# Altium PCB QCPower Rev A.PcbDoc (part 3 of 5)
Units mm, origin at the board's own origin, x right, y up, seen from the top; angles counter-clockwise.
Board outline 70 x 65 mm, 6 copper layers (Layer 1, Layer 2, Layer 3, Layer 4, Layer 5, Layer 6), stack 1.599 mm thick; 479 components, 300 nets, 1345 pads, 1188 vias.
Unrouted connection lines stored in the file: 4.
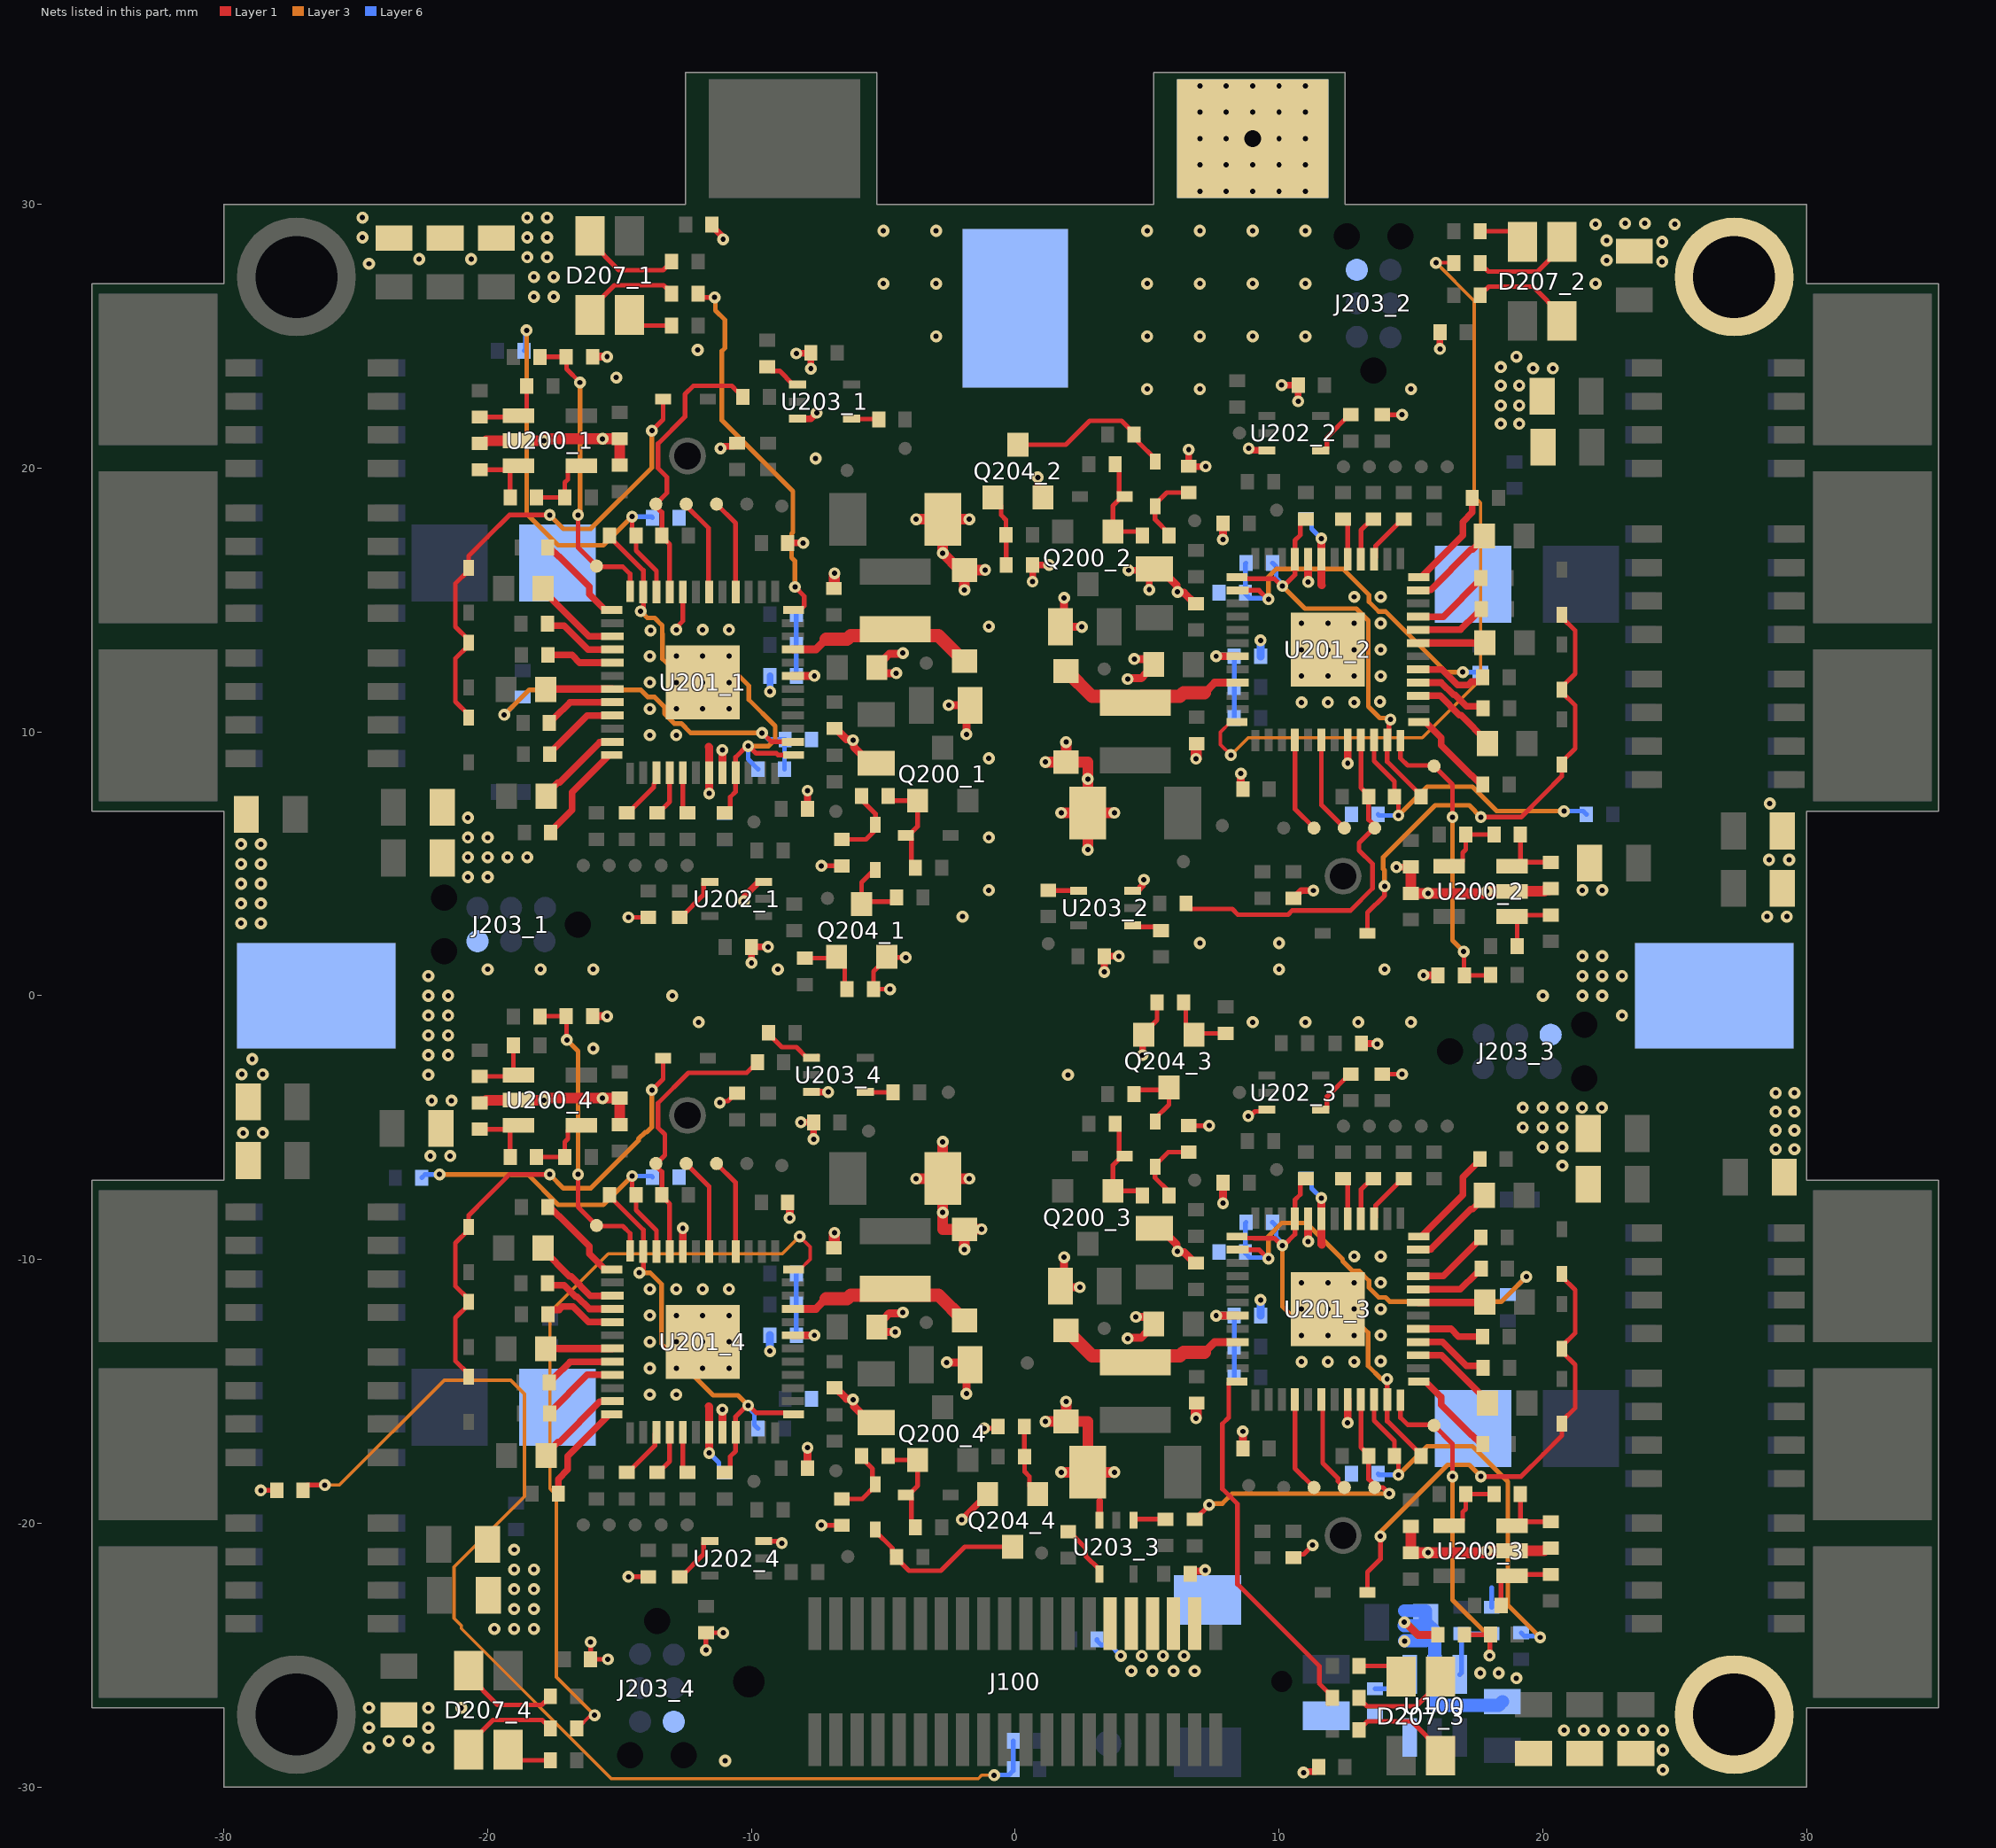
[diagram p7: the nets of this part, all layers, seen from the top]

## Via types
v1: diameter 0.457, hole 0.2, Layer 1 to Layer 6, tented both sides, 455 vias
v2: diameter 0.45, hole 0.2, Layer 1 to Layer 6, tented both sides, 379 vias
v3: diameter 0.457, hole 0.2, Layer 1 to Layer 6, 336 vias
v4: diameter 0.889, hole 0.635, Layer 1 to Layer 6, 14 vias
v5: diameter 0.635, hole 0.381, Layer 1 to Layer 6, tented both sides, 4 vias

## Nets (pads, with @x,y where several pads share a name; then routed paths per layer and width w, separated by ;. In a path a pad name is that pad's centre, name@x,y a point inside that pad or via, vN(x,y) a via of type N, cw(c..) or ccw(c..) an arc to the next point about the centre after c; other vN are vias at no path point) (continued)
GND: C100.2 C102.2 C103.2 C104.2 C107.2 C108.2 C109.2 C200_1.1 C200_2.1 C200_3.1 C200_4.1 C201_1.2 C201_2.2 C201_3.2 C201_4.2 C202_1.2 C202_2.2 C202_3.2 C202_4.2 C203_1.2 C203_2.2 C203_3.2 C203_4.2 C204_1.2 C204_2.2 C204_3.2 C204_4.2 C205_1.2 C205_2.2 C205_3.2 C205_4.2 C206_1.2 C206_2.2 C206_3.2 C206_4.2 C207_1.2 C207_2.2 C207_3.2 C207_4.2 C208_1.2 C208_2.2 C208_3.2 C208_4.2 C209_1.2 C209_2.2 C209_3.2 C209_4.2 C210_1.1 C210_2.1 C210_3.1 C210_4.1 C211_1.2 C211_2.2 C211_3.2 C211_4.2 C212_1.1 C212_2.1 C212_3.1 C212_4.1 C213_1.2 C213_2.2 C213_3.2 C213_4.2 C215_1.2 C215_2.2 C215_3.2 C215_4.2 C217_1.2 C217_2.2 C217_3.2 C217_4.2 C218_1.1 C218_2.1 C218_3.1 C218_4.1 C219_1.1 C219_2.1 C219_3.1 C219_4.1 C221_1.2 C221_2.2 C221_3.2 C221_4.2 C222_1.2 C222_2.2 C222_3.2 C222_4.2 C223_1.2 C223_2.2 C223_3.2 C223_4.2 C224_1.2 C224_2.2 C224_3.2 C224_4.2 D206_1.A D206_2.A D206_3.A D206_4.A J100.4 J100.6 J100.8 J100.10 J100.12 J102.1 J203_1.5 J203_2.5 J203_3.5 J203_4.5 pad.S@27.25,27.25 pad.S@27.25,-27.25 Q204_1.2 Q204_2.2 Q204_3.2 Q204_4.2 R101.2 R102.2 R210_1.2 R210_2.2 R210_3.2 R210_4.2 R215_1.1 R215_2.1 R215_3.1 R215_4.1 R227_1.2 R227_2.2 R227_3.2 R227_4.2 R228_1.1 R228_2.1 R228_3.1 R228_4.1 R229_1.1 R229_2.1 R229_3.1 R229_4.1 R230_1.1 R230_2.1 R230_3.1 R230_4.1 R235_1.2 R235_2.2 R235_3.2 R235_4.2 R237_1.1 R237_2.1 R237_3.1 R237_4.1 U100.2 U200_1.2 U200_2.2 U200_3.2 U200_4.2 U201_1.20 U201_1.43 U201_1.44 U201_1.49 U201_2.20 U201_2.43 U201_2.44 U201_2.49 U201_3.20 U201_3.43 U201_3.44 U201_3.49 U201_4.20 U201_4.43 U201_4.44 U201_4.49 U202_1.3 U202_2.3 U202_3.3 U202_4.3 U203_1.3 U203_2.3 U203_3.3 U203_4.3 | length 163.1
  Layer 1 w0.178: v2(-28.6,-18.75) R102.2@-28,-18.75 ; v2(-16.1,-24.501) C200_4.1@-16.1,-25.157 v2(-15.444,-25.157) ; v2(-14.663,-22.027) R237_4.1@-13.913,-22.027 ; v2(-14.663,2.973) R237_1.1@-13.913,2.973 ; v1(-12.852,13.878) -12.852,13.954 -12.602,14.204 U201_1.20@-12.602,15.303 ; v2(-11.725,-24.806) C223_4.2@-11.725,-24.15 v2(-11.069,-24.15) ; v2(-11.2,-4.05) -11.148,-3.998 -10.898,-3.998 -10.6,-3.7 R235_4.2@-10.55,-3.7 ; U202_4.3@-9.538,-20.678 -8.922,-20.678 v2(-8.85,-20.75) ; v2(-7.35,-20.075) C208_4.2@-6.575,-20.075 ; v2(-7.35,4.925) C208_1.2@-6.575,4.925 ; v2(-4.75,0.25) R210_1.2@-5.375,0.25 -5.375,0.925 -4.875,1.425 Q204_1.2@-4.875,1.475 -4.85,1.45 v2(-4.15,1.45) ; v2(-1.175,-16.401) -0.725,-16.401 R210_4.2@-0.656,-16.332 ; Q204_3.2@4.875,-1.475 4.875,-1.425 5.375,-0.925 R210_3.2@5.375,-0.25 ; C208_3.2@6.575,-4.925 v2(7.35,-4.925) ; C208_2.2@6.575,20.075 C208_2.2@6.584,20.066 ; v2(8.833,-4.561) 8.907,-4.561 9.085,-4.383 9.477,-4.383 U202_3.3@9.538,-4.322 ; v2(8.85,20.75) v2@8.922,20.678 ; R235_3.2@10.55,-21.3 10.677,-21.173 10.927,-21.173 v2(11.275,-20.825) ; R237_3.1@13.913,-2.973 v2(14.663,-2.973) ; R237_2.1@13.913,22.027 v2(14.663,22.027)
  Layer 1 w0.254: C200_1.1@-11.5,29.235 -11.5,29.185 -11.113,28.797 -11.113,28.713 v2(-11.075,28.675) ; v2(-11.175,20.75) -11.122,20.75 -11.045,20.827 -10.673,20.827 R235_1.2@-10.55,20.95 ; v2(-10.287,3.581) -10.249,3.619 -10.249,3.793 -9.936,4.106 -9.927,4.106 -9.712,4.322 U202_1.3@-9.538,4.322 ; v2(-10,1.25) C223_1.2@-10,1.85 v2(-9.375,1.85) ; C222_1.2@-8.625,17.165 v2(-8.04,17.165) ; v2(-8.3,24.35) -8.288,24.362 -7.763,24.362 C224_1.2@-7.75,24.375 v2(-7.75,23.775) ; U203_1.3@-8.25,21.875 -7.75,21.875 v2(-7.525,22.1) ; v2(-8.128,-4.801) C224_4.2@-7.645,-4.801 v2(-7.645,-5.436) ; C218_1.1@-7.875,7.09 v2(-7.875,7.775) ; U203_4.3@-7.728,-3.647 v2(-7.093,-3.647) ; v2(-2.025,-19.862) Q204_4.2@-1.052,-18.888 ; v2(0.656,15.702) R210_2.2@0.656,16.332 v2(1.286,16.332) ; v2(0.85,19.65) 0.85,19.09 Q204_2.2@1.052,18.888 ; U203_3.3@3.2,-19.882 3.2,-19.15 ; v2(3.375,0.9) C224_2.2@3.375,1.5 v2(3.925,1.5) ; v2(4.293,16.129) C213_2.2@5.22,16.129 ; U203_2.3@4.447,3.975 4.621,3.975 4.835,4.189 4.835,4.362 v2(4.872,4.4) ; v2(4.825,-2.25) 4.825,-1.525 Q204_3.2@4.875,-1.475 ; v2(5.08,15.392) 5.08,15.989 C213_2.2@5.22,16.129 ; C213_2.2@5.275,16.185 C213_2.2@5.22,16.129 ; C208_2.2@6.575,20.075 v2(6.575,20.705) ; C208_2.2@6.584,20.066 v2(7.214,20.066) ; C224_3.2@6.629,-21.92 6.736,-21.814 7.163,-21.814 v2(7.2,-21.776) ; v2@8.922,20.678 U202_2.3@9.538,20.678 ; v2(10.099,23.15) C223_2.2@10.725,23.15 v2(10.725,22.536) ; R235_2.2@10.55,3.7 10.838,3.988 v2(11.303,3.988) ; v2(10.925,-29.45) 10.978,-29.45 11.02,-29.408 11.377,-29.408 11.5,-29.285 C200_3.1@11.5,-29.235 ; C223_3.2@13.124,-1.803 13.135,-1.814 13.714,-1.814 v2(13.725,-1.825) ; v2(14.451,4.875) 14.991,4.875 C211_2.2@15,4.885 ; v2(16.1,24.525) C200_2.1@16.1,25.157
  Layer 1 w0.3: C209_4.2@-16.025,-0.775 v2(-15.475,-0.775) ; C209_1.2@-16.025,24.225 v2(-15.475,24.225) ; U201_4.20@-12.602,-9.697 v2(-12.602,-8.812) ; -11.625,-15.56 -11.602,-15.583 U201_4.43@-11.602,-16.547 v2(-11.602,-17.333) ; -11.625,9.44 -11.602,9.417 U201_1.43@-11.602,8.453 v2(-11.602,7.667) ; U201_4.44@-11.102,-16.547 v2(-11.102,-15.687) ; U201_1.44@-11.102,8.453 v2(-11.102,9.313) ; C222_4.2@-8.625,-7.835 -8.55,-7.91 v2(-8.55,-8.425) ; C218_4.1@-7.875,-17.91 v2(-7.875,-17.135) ; C212_4.1@-6.857,-14.867 -6.807,-14.867 -6.394,-15.281 -6.179,-15.281 v2(-6.15,-15.31) -6.121,-15.338 -6.121,-15.563 -5.5,-16.185 C213_4.2@-5.275,-16.185 ; C212_1.1@-6.857,10.133 -6.807,10.133 -6.394,9.719 -6.179,9.719 v2(-6.15,9.69) -6.121,9.662 -6.121,9.437 -5.5,8.815 C213_1.2@-5.275,8.815 ; v2(-4.55,-12.75) -5.02,-12.75 -5.039,-12.769 C215_4.2@-5.25,-12.558 -5.25,-12.483 -5,-12.233 -4.97,-12.233 -4.772,-12.035 -4.29,-12.035 v2(-4.261,-12.007) ; v2(-4.515,12.231) -5.039,12.231 C215_1.2@-5.25,12.442 -5.25,12.517 -5,12.767 -4.97,12.767 -4.772,12.965 -4.29,12.965 v2(-4.261,12.993) ; v2(-2.6,-13.901) -1.798,-13.901 C207_4.2@-1.711,-13.988 -1.85,-14.127 v2(-1.85,-15.085) ; v2(-2.525,11.015) -1.714,11.015 C207_1.2@-1.711,11.012 -1.85,10.873 v2(-1.85,9.915) ; v2(1.85,-9.915) 1.85,-10.873 C207_3.2@1.711,-11.012 1.748,-11.05 v2(2.45,-11.05) ; v2(1.85,15.085) 1.85,14.127 C207_2.2@1.711,13.988 1.714,13.985 v2(2.525,13.985) ; v2(4.261,-12.993) 4.29,-12.965 4.772,-12.965 4.97,-12.767 5,-12.767 5.25,-12.517 C215_3.2@5.25,-12.442 4.983,-12.175 v2(4.575,-12.175) ; v2(4.261,12.007) 4.29,12.035 4.773,12.035 4.97,12.232 5,12.232 5.25,12.482 C215_2.2@5.25,12.557 5.039,12.769 v2(4.515,12.769) ; C213_3.2@5.275,-8.815 5.5,-8.815 6.121,-9.437 6.121,-9.662 v2(6.15,-9.69) 6.179,-9.719 6.394,-9.719 6.807,-10.133 C212_3.1@6.857,-10.133 ; C213_2.2@5.275,16.185 5.5,16.185 6.122,15.563 6.122,15.338 v2(6.15,15.31) 6.179,15.281 6.394,15.281 6.807,14.867 C212_2.1@6.857,14.867 ; v2(7.874,17.297) C218_2.1@7.875,17.91 C218_2.1@7.875,17.91 ; v2(7.875,-7.865) C218_3.1@7.875,-7.09 ; v2(8.55,8.425) 8.55,7.91 C222_2.2@8.625,7.835 ; C222_3.2@8.625,-17.165 v2(8.625,-16.515) ; v2(11.102,-9.313) U201_3.44@11.102,-8.453 ; v2(11.102,15.687) U201_2.44@11.102,16.547 ; v2(11.602,-7.667) U201_3.43@11.602,-8.453 11.602,-9.417 11.625,-9.44 ; v2(11.602,17.332) U201_2.43@11.602,16.547 11.602,15.582 11.625,15.56 ; v2(12.602,-16.188) U201_3.20@12.602,-15.303 ; v2(12.602,8.812) U201_2.20@12.602,9.697 ; v2@14.757,-23.72 15.263,-24.225 C209_3.2@16.025,-24.225 ; v2(15.475,0.775) C209_2.2@16.025,0.775
  Layer 1 w0.406: R227_4.2@-20.3,-4.06 -20.253,-4.013 -20.101,-4.013 -20.046,-3.957 U200_4.2@-18.836,-3.957 U200_4.2@-18.836,-3.957 -17.876,-3.959 v2(-17.875,-3.96) -17.863,-3.96 -17.788,-3.885 v1(-15.644,-3.885) C210_4.1@-15,-3.885 C211_4.2@-15,-4.885 ; R227_1.2@-20.3,20.94 -20.253,20.987 -20.101,20.987 -20.046,21.043 U200_1.2@-18.836,21.043 -18.835,21.041 v2(-17.875,21.04) v2(-17.875,21.04) -17.863,21.04 -17.788,21.115 v1(-15.644,21.115) C210_1.1@-15,21.115 C211_1.2@-15,20.115 ; C219_4.1@-6.875,-9.56 -6.859,-9.543 -6.859,-8.993 v2(-6.85,-8.985) ; C219_1.1@-6.875,15.44 -6.859,15.457 -6.859,16.007 v2(-6.85,16.015) ; v2(-3.759,-6.935) C217_4.2@-2.75,-6.935 ; v2(-3.759,18.065) C217_1.2@-2.75,18.065 ; v2(-2.75,-5.535) C217_4.2@-2.75,-6.935 ; v2(-1.925,-9.618) D206_4.A@-1.925,-8.86 ; v2(-1.925,15.382) D206_1.A@-1.925,16.14 ; v2(-1.742,-6.935) C217_4.2@-2.75,-6.935 ; v2(-1.742,18.065) C217_1.2@-2.75,18.065 ; v2(-1.275,-8.85) -1.916,-8.85 D206_4.A@-1.925,-8.86 ; v2(-1.142,16.14) D206_1.A@-1.925,16.14 ; v2(1.142,-16.14) D206_3.A@1.925,-16.14 ; v2(1.142,8.86) D206_2.A@1.925,8.86 ; v2(1.742,-18.065) C217_3.2@2.75,-18.065 ; v2(1.742,6.935) C217_2.2@2.75,6.935 ; v2(1.925,-15.382) D206_3.A@1.925,-16.14 ; v2(1.925,9.618) D206_2.A@1.925,8.86 ; v2(2.75,5.535) C217_2.2@2.75,6.935 ; v2(3.759,-18.065) C217_3.2@2.75,-18.065 ; v2(3.759,6.935) C217_2.2@2.75,6.935 ; v2(6.85,-16.015) 6.859,-16.007 6.859,-15.457 C219_3.1@6.875,-15.44 ; v2(6.85,8.985) 6.859,8.993 6.859,9.543 C219_2.1@6.875,9.56 ; C211_3.2@15,-20.115 C210_3.1@15,-21.115 v1(15.644,-21.115) 17.788,-21.115 17.863,-21.04 v2(17.875,-21.04) 17.876,-21.041 18.835,-21.041 U200_3.2@18.836,-21.043 20.046,-21.043 20.101,-20.987 20.253,-20.987 R227_3.2@20.3,-20.94 ; C211_2.2@15,4.885 C210_2.1@15,3.885 v1(15.644,3.885) 17.788,3.885 17.863,3.96 v2(17.875,3.96) 17.876,3.958 18.835,3.958 U200_2.2@18.836,3.957 20.046,3.957 20.101,4.013 20.253,4.013 R227_2.2@20.3,4.06 ; C217_4.2@-2.75,-6.935 v2(-2.75,-8.218) -2.75,-8.86 D206_4.A@-1.925,-8.86 ; C217_1.2@-2.75,18.065 v2(-2.75,16.782) -2.109,16.14 D206_1.A@-1.925,16.14 ; D206_3.A@1.925,-16.14 2.75,-16.14 C217_3.2@2.75,-18.065 ; D206_2.A@1.925,8.86 2.75,8.86 v2(2.75,8.218) C217_2.2@2.75,6.935
  Layer 1 w0.5: v1(-11.852,-13.122) U201_4.49@-11.102,-13.872 ; U201_3.49@11.102,-11.128 v1(11.852,-11.878) ; U201_2.49@11.102,13.872 v1(11.852,13.122)
  Layer 6 w0.178: v2(-11.602,-17.333) -11.236,-17.699 -11.236,-17.924 -11.075,-18.085 R228_4.1@-11.025,-18.085 ; C104.2@3.1,-24.4 3.1,-24.45 3.261,-24.611 3.586,-24.611 v1(4,-25.025) ; R228_3.1@11.025,-6.915 11.075,-6.915 11.236,-7.076 11.236,-7.301 v2(11.602,-7.667) ; R228_2.1@11.025,18.085 11.075,18.085 11.236,17.923 11.236,17.698 v2(11.602,17.332) ; R101.2@18.059,-23.184 18.059,-22.439
  Layer 6 w0.254: v2(-9.3,11.53) C221_1.2@-9.3,12.13
  Layer 6 w0.3: v2(-9.3,-13.47) C221_4.2@-9.3,-12.87 ; C221_3.2@9.3,-12.13 v2(9.3,-11.53) ; C221_2.2@9.3,12.87 v2(9.3,13.47)
  Layer 6 w0.5: v2@14.747,-23.876 C103.2@15.545,-23.876 ; v2@14.757,-24.449 15.555,-24.449 ; 14.757,-23.317 15.555,-23.317 C103.2@15.555,-23.749 15.9,-24.094 U100.2@15.9,-25.73 15.9,-26.901 18.325,-26.901 C100.2@18.466,-26.761
  other v1: 24.55,-29.35 -11,-29 24.55,-28.6 -24.5,-28.5 -22.25,-28.5 -23.75,-28.25 -23,-28.25 20.8,-27.85 21.55,-27.85 22.3,-27.85 23.05,-27.85 23.8,-27.85 24.55,-27.85 -24.5,-27.75 -22.25,-27.75 -24.5,-27 -22.25,-27 -21,-27 19,-25.875 17.625,-25.675 18.325,-25.675 4.4,-25.6 5.2,-25.6 6,-25.6 6.8,-25.6 4.8,-25.025 5.6,-25.025 6.4,-25.025 -19.75,-24 -19,-24 -18.25,-24 -19,-23.25 -18.25,-23.25 -19,-22.5 -18.25,-22.5 -19,-21.75 -18.25,-21.75 -19,-21 -13.852,-15.122 -12.852,-15.122 -13.852,-14.122 -12.852,-14.122 -11.852,-14.122 -10.852,-14.122 10.852,-13.878 11.852,-13.878 12.852,-13.878 13.852,-13.853 -13.852,-13.122 -12.852,-13.122 -10.852,-13.122 10.852,-12.878 11.852,-12.878 12.852,-12.878 13.852,-12.878 -13.852,-12.122 -12.852,-12.122 -11.852,-12.122 -10.852,-12.122 10.852,-11.878 12.852,-11.878 13.852,-11.878 -13.852,-11.122 -12.852,-11.122 -11.852,-11.122 -10.852,-11.122 10.852,-10.878 11.852,-10.878 12.852,-10.878 13.852,-10.878 12.852,-9.878 13.852,-9.878 20.74,-6.443 -22.175,-6.075 -21.425,-6.075 28.829,-5.817 29.54,-5.817 19.99,-5.743 20.74,-5.743 -29.275,-5.2 -28.525,-5.2 28.829,-5.105 29.54,-5.105 19.24,-4.993 19.99,-4.993 20.74,-4.993 28.829,-4.394 29.54,-4.394 19.24,-4.243 19.99,-4.243 20.74,-4.243 21.49,-4.243 22.24,-4.243 -22.125,-3.975 -21.375,-3.975 28.829,-3.683 29.54,-3.683 -22.25,-3 2,-3 -29.325,-2.975 -28.525,-2.975 -28.925,-2.4 -22.25,-2.25 -21.5,-2.25 -16,-2 -22.25,-1.5 -21.5,-1.5 -12,-1 9,-1 11,-1 13,-1 15,-1 -22.25,-0.75 -21.5,-0.75 23,-0.75 -22.25,0 -21.5,0 -13,0 20,0 21.5,0 22.25,0 -22.25,0.75 21.5,0.75 22.25,0.75 23,0.75 -20,1 -18,1 -16,1 -9,1 10,1 14,1 21.5,1.5 22.25,1.5 7,2 10,2 -29.35,2.75 -28.6,2.75 -2,3 28.5,3 29.25,3 -29.35,3.5 -28.6,3.5 -1,4 21.5,4 22.25,4 -29.35,4.25 -28.6,4.25 -20.75,4.5 -20,4.5 -29.35,5 -28.6,5 28.575,5.156 29.337,5.156 -20.75,5.25 -20,5.25 -19.25,5.25 -18.5,5.25 -29.35,5.75 -28.6,5.75 -20.75,6 -20,6 -1,6 -20.75,6.75 28.6,7.29 -1,9 -13.852,9.878 -12.852,9.878 -13.852,10.878 -12.852,10.878 -11.852,10.878 -10.852,10.878 10.852,11.122 11.852,11.122 12.852,11.122 13.826,11.151 -13.852,11.878 -12.852,11.878 -11.852,11.878 -10.852,11.878 10.852,12.122 11.852,12.122 12.852,12.122 13.852,12.122 -13.852,12.878 -12.852,12.878 -11.852,12.878 -10.852,12.878 10.852,13.122 12.852,13.122 13.852,13.122 -13.826,13.851 -11.852,13.878 -10.852,13.878 -1,14 10.852,14.122 11.852,14.122 12.852,14.122 13.852,14.122 12.852,15.122 13.852,15.122 -7.569,20.371 18.404,21.683 19.104,21.683 18.404,22.383 19.104,22.383 5,23 7,23 15,23 18.404,23.133 19.104,23.133 -15.125,23.44 19.629,23.783 20.379,23.783 18.404,23.833 19,24.225 -12.04,24.486 -3,25 5,25 7,25 9,25 11,25 -18.25,26.5 -17.5,26.5 -5,27 -3,27 5,27 7,27 9,27 11,27 22,27 -18.25,27.25 -17.5,27.25 -24.5,27.75 24.52,27.83 22.42,27.88 -22.6,27.925 -20.625,27.925 -18.5,28 -17.75,28 24.52,28.58 22.42,28.63 -24.75,28.75 -18.5,28.75 -17.75,28.75 -5,29 -3,29 5,29 7,29 9,29 11,29 22,29.25 25,29.25 23.12,29.28 23.87,29.28 -24.75,29.5 -18.5,29.5 -17.75,29.5
  other v2: 14.757,-24.474 14.747,-23.75
  other v3: 7,30.5 8,30.5 9,30.5 10,30.5 11,30.5 7,31.5 8,31.5 9,31.5 10,31.5 11,31.5 7,32.5 8,32.5 10,32.5 11,32.5 7,33.5 8,33.5 9,33.5 10,33.5 11,33.5 7,34.5 8,34.5 9,34.5 10,34.5 11,34.5
  other v4: 9,32.5
GREEN_1: R239_1.2 U201_1.12 | length 14.4
  Layer 1 w0.178: R239_1.2@-12.025,26.622 -11.878,26.475 v2(-11.4,26.475) ; U201_1.12@-8.402,14.628 -8.152,14.628 -8,14.78 -8,15.15 v2(-8.35,15.5)
  Layer 3 w0.178: v2(-11.4,26.475) -11.365,26.44 -11.365,25.983 -11.007,25.625 -11.007,24.555 -11.121,24.441 -11.121,21.815 -8.427,19.121 -8.427,17.572 -8.483,17.516 -8.483,16.611 -8.35,16.478 v2(-8.35,15.5)
GREEN_2: R239_2.2 U201_2.12 | length 29.6
  Layer 1 w0.127: v2(8.175,9.125) 7.775,9.525 7.775,9.995 8.152,10.372 U201_2.12@8.402,10.372 ; v2(15.95,27.787) 16.607,27.787 R239_2.2@16.625,27.77
  Layer 3 w0.127: v2(8.175,9.125) 8.829,9.779 15.428,9.779 17.639,11.99 17.639,18.685 17.396,18.928 17.396,26.341 v2(15.95,27.787)
GREEN_3: R239_3.2 U201_3.12 | length 14.5
  Layer 1 w0.178: U201_3.12@8.402,-14.628 8.152,-14.628 8.091,-14.689 8.091,-15.992 7.852,-16.231 7.852,-18.695 8.423,-19.265 8.423,-22.305 11.53,-25.412 11.53,-26.077 11.864,-26.411 11.864,-26.833 12.025,-26.672 R239_3.2@12.025,-26.622
GREEN_4: R239_4.2 U201_4.12 | length 29.3
  Layer 1 w0.127: R239_4.2@-16.625,-27.77 -16.607,-27.787 -16.095,-27.275 v2(-15.95,-27.275) ; U201_4.12@-8.402,-10.372 -8.152,-10.372 -7.775,-9.995 -7.775,-9.525 v2(-8.175,-9.125)
  Layer 3 w0.127: v2(-15.95,-27.275) -17.396,-25.829 -17.396,-18.928 -17.639,-18.685 -17.639,-11.99 -15.428,-9.779 -8.829,-9.779 v2(-8.175,-9.125)
HSU_1: R203_1.1 U201_1.33 | length 3
  Layer 1 w0.254: R203_1.1@-17.647,9.159 -17.647,9.209 -16.229,10.628 U201_1.33@-15.277,10.628
HSU_2: R203_2.1 U201_2.33 | length 3
  Layer 1 w0.254: U201_2.33@15.277,14.372 16.229,14.372 17.647,15.791 R203_2.1@17.647,15.841
HSU_3: R203_3.1 U201_3.33 | length 3
  Layer 1 w0.254: U201_3.33@15.277,-10.628 16.229,-10.628 17.647,-9.209 R203_3.1@17.647,-9.159
HSU_4: R203_4.1 U201_4.33 | length 3
  Layer 1 w0.254: R203_4.1@-17.647,-15.841 -17.647,-15.791 -16.229,-14.372 U201_4.33@-15.277,-14.372
HSV_1: R204_1.1 U201_1.29 | length 2.6
  Layer 1 w0.254: R204_1.1@-17.718,12.922 -16.807,12.922 -16.513,12.628 U201_1.29@-15.277,12.628
HSV_2: R204_2.1 U201_2.29 | length 2.8
  Layer 1 w0.254: U201_2.29@15.277,12.372 16.183,12.372 16.768,11.787 17.166,11.787 17.285,11.905 17.595,11.905 R204_2.1@17.718,12.028
HSV_3: R204_3.1 U201_3.29 | length 2.6
  Layer 1 w0.254: U201_3.29@15.277,-12.628 16.513,-12.628 16.807,-12.922 R204_3.1@17.718,-12.922
HSV_4: R204_4.1 U201_4.29 | length 2.8
  Layer 1 w0.254: R204_4.1@-17.718,-12.028 -17.595,-11.905 -17.285,-11.905 -17.166,-11.787 -16.768,-11.787 -16.183,-12.372 U201_4.29@-15.277,-12.372
HSW_1: R205_1.1 U201_1.25 | length 3.6
  Layer 1 w0.254: R205_1.1@-17.725,16.99 -17.65,16.99 -17.306,16.646 -17.292,16.646 -16.15,15.504 -16.15,15.215 -15.563,14.628 U201_1.25@-15.302,14.628
HSW_2: R205_2.1 U201_2.25 | length 3.6
  Layer 1 w0.254: U201_2.25@15.302,10.372 15.563,10.372 16.15,9.785 16.15,9.496 17.292,8.354 17.306,8.354 17.65,8.01 R205_2.1@17.725,8.01
HSW_3: R205_3.1 U201_3.25 | length 3.6
  Layer 1 w0.254: U201_3.25@15.302,-14.628 15.563,-14.628 16.15,-15.215 16.15,-15.504 17.292,-16.646 17.306,-16.646 17.65,-16.99 R205_3.1@17.725,-16.99
HSW_4: R205_4.1 U201_4.25 | length 3.6
  Layer 1 w0.254: R205_4.1@-17.725,-8.01 -17.65,-8.01 -17.306,-8.354 -17.292,-8.354 -16.15,-9.496 -16.15,-9.785 -15.563,-10.372 U201_4.25@-15.302,-10.372
LSU_1: R207_1.1 U201_1.36 | length 3.9
  Layer 1 w0.254: R207_1.1@-17.612,6.19 -17.612,6.24 -16.8,7.051 -16.8,7.715 -15.388,9.128 U201_1.36@-15.302,9.128
LSU_2: R207_2.1 U201_2.36 | length 3.9
  Layer 1 w0.254: U201_2.36@15.302,15.872 15.388,15.872 16.967,17.452 16.967,17.967 17.323,18.323 R207_2.1@17.323,18.872
LSU_3: R207_3.1 U201_3.36 | length 3.9
  Layer 1 w0.254: U201_3.36@15.302,-9.128 15.388,-9.128 16.975,-7.541 16.975,-6.876 17.612,-6.24 R207_3.1@17.612,-6.19
LSU_4: R207_4.1 U201_4.36 | length 3.9
  Layer 1 w0.254: R207_4.1@-17.323,-18.872 -17.323,-18.323 -16.967,-17.967 -16.967,-17.452 -15.388,-15.872 U201_4.36@-15.302,-15.872
LSV_1: R208_1.1 U201_1.32 | length 2.7
  Layer 1 w0.254: R208_1.1@-17.66,10.344 -17.66,10.394 -17.537,10.517 -17.487,10.517 -16.876,11.128 U201_1.32@-15.277,11.128
LSV_2: R208_2.1 U201_2.32 | length 2.7
  Layer 1 w0.254: U201_2.32@15.277,13.872 16.876,13.872 17.487,14.483 17.537,14.483 17.66,14.606 R208_2.1@17.66,14.656
LSV_3: R208_3.1 U201_3.32 | length 2.7
  Layer 1 w0.254: U201_3.32@15.277,-11.128 16.876,-11.128 17.487,-10.517 17.537,-10.517 17.66,-10.394 R208_3.1@17.66,-10.344
LSV_4: R208_4.1 U201_4.32 | length 2.7
  Layer 1 w0.254: R208_4.1@-17.66,-14.656 -17.66,-14.606 -17.537,-14.483 -17.487,-14.483 -16.876,-13.872 U201_4.32@-15.277,-13.872
LSW_1: R209_1.1 U201_1.28 | length 2.9
  Layer 1 w0.254: R209_1.1@-17.736,14.106 -17.661,14.031 -17.105,14.031 -16.202,13.128 U201_1.28@-15.277,13.128
LSW_2: R209_2.1 U201_2.28 | length 2.9
  Layer 1 w0.254: U201_2.28@15.277,11.872 16.144,11.872 16.61,11.406 16.668,11.406 17.105,10.969 17.661,10.969 R209_2.1@17.736,10.894
LSW_3: R209_3.1 U201_3.28 | length 2.9
  Layer 1 w0.254: U201_3.28@15.277,-13.128 16.202,-13.128 17.105,-14.031 17.661,-14.031 R209_3.1@17.736,-14.106
LSW_4: R209_4.1 U201_4.28 | length 2.9
  Layer 1 w0.254: R209_4.1@-17.736,-10.894 -17.661,-10.969 -17.105,-10.969 -16.668,-11.406 -16.61,-11.406 -16.144,-11.872 U201_4.28@-15.277,-11.872
NetC101_1: C101.1 L100.1 U100.6
NetC101_2: C101.2 U100.1 | length 1.7
  Layer 6 w0.178: C101.2@13.64,-26.272 14.76,-26.272 14.95,-26.081 U100.1@14.95,-25.73
NetC208_1_1: C208_1.1 D201_1.A R202_1.1 | length 2.8
  Layer 1 w0.178: C208_1.1@-6.575,5.925 -5.657,5.925 -5.3,6.282 -5.3,6.4 -5.3,6.9 -5.825,7.425 R202_1.1@-5.825,7.475
NetC208_2_1: C208_2.1 D201_2.A R202_2.1 | length 2.8
  Layer 1 w0.178: R202_2.1@5.825,17.525 5.3,18.05 D201_2.A@5.3,18.549 5.3,18.635 5.74,19.075 C208_2.1@6.575,19.075
NetC208_3_1: C208_3.1 D201_3.A R202_3.1 | length 2.7
  Layer 1 w0.178: R202_3.1@5.825,-7.475 5.825,-7.425 5.3,-6.9 5.3,-6.425 5.8,-5.925 C208_3.1@6.575,-5.925
NetC208_4_1: C208_4.1 D201_4.A R202_4.1 | length 2.7
  Layer 1 w0.178: C208_4.1@-6.575,-19.075 -5.8,-19.075 -5.3,-18.575 -5.3,-18.473 -5.412,-18.361 -5.412,-17.938 R202_4.1@-5.825,-17.525
NetC214_1_1: C214_1.1 U201_1.35 | length 3.4
  Layer 1 w0.254: C214_1.1@-17.786,7.568 -17.786,7.643 -17.345,8.084 -17.274,8.084 -15.754,9.605 -15.3,9.605 U201_1.35@-15.277,9.628
NetC214_2_1: C214_2.1 U201_2.35 | length 3.5
  Layer 1 w0.254: U201_2.35@15.277,15.372 15.3,15.395 15.754,15.395 17.274,16.916 ; C214_2.1@17.786,17.432 17.786,17.357 17.345,16.916 ; 17.274,16.916 17.345,16.916 ; 17.274,16.916 17.345,16.916
NetC214_3_1: C214_3.1 U201_3.35 | length 3.4
  Layer 1 w0.254: U201_3.35@15.277,-9.628 15.3,-9.605 15.754,-9.605 17.274,-8.084 17.345,-8.084 17.786,-7.643 C214_3.1@17.786,-7.568